# KiCad board frankenso.kicad_pcb (continued)
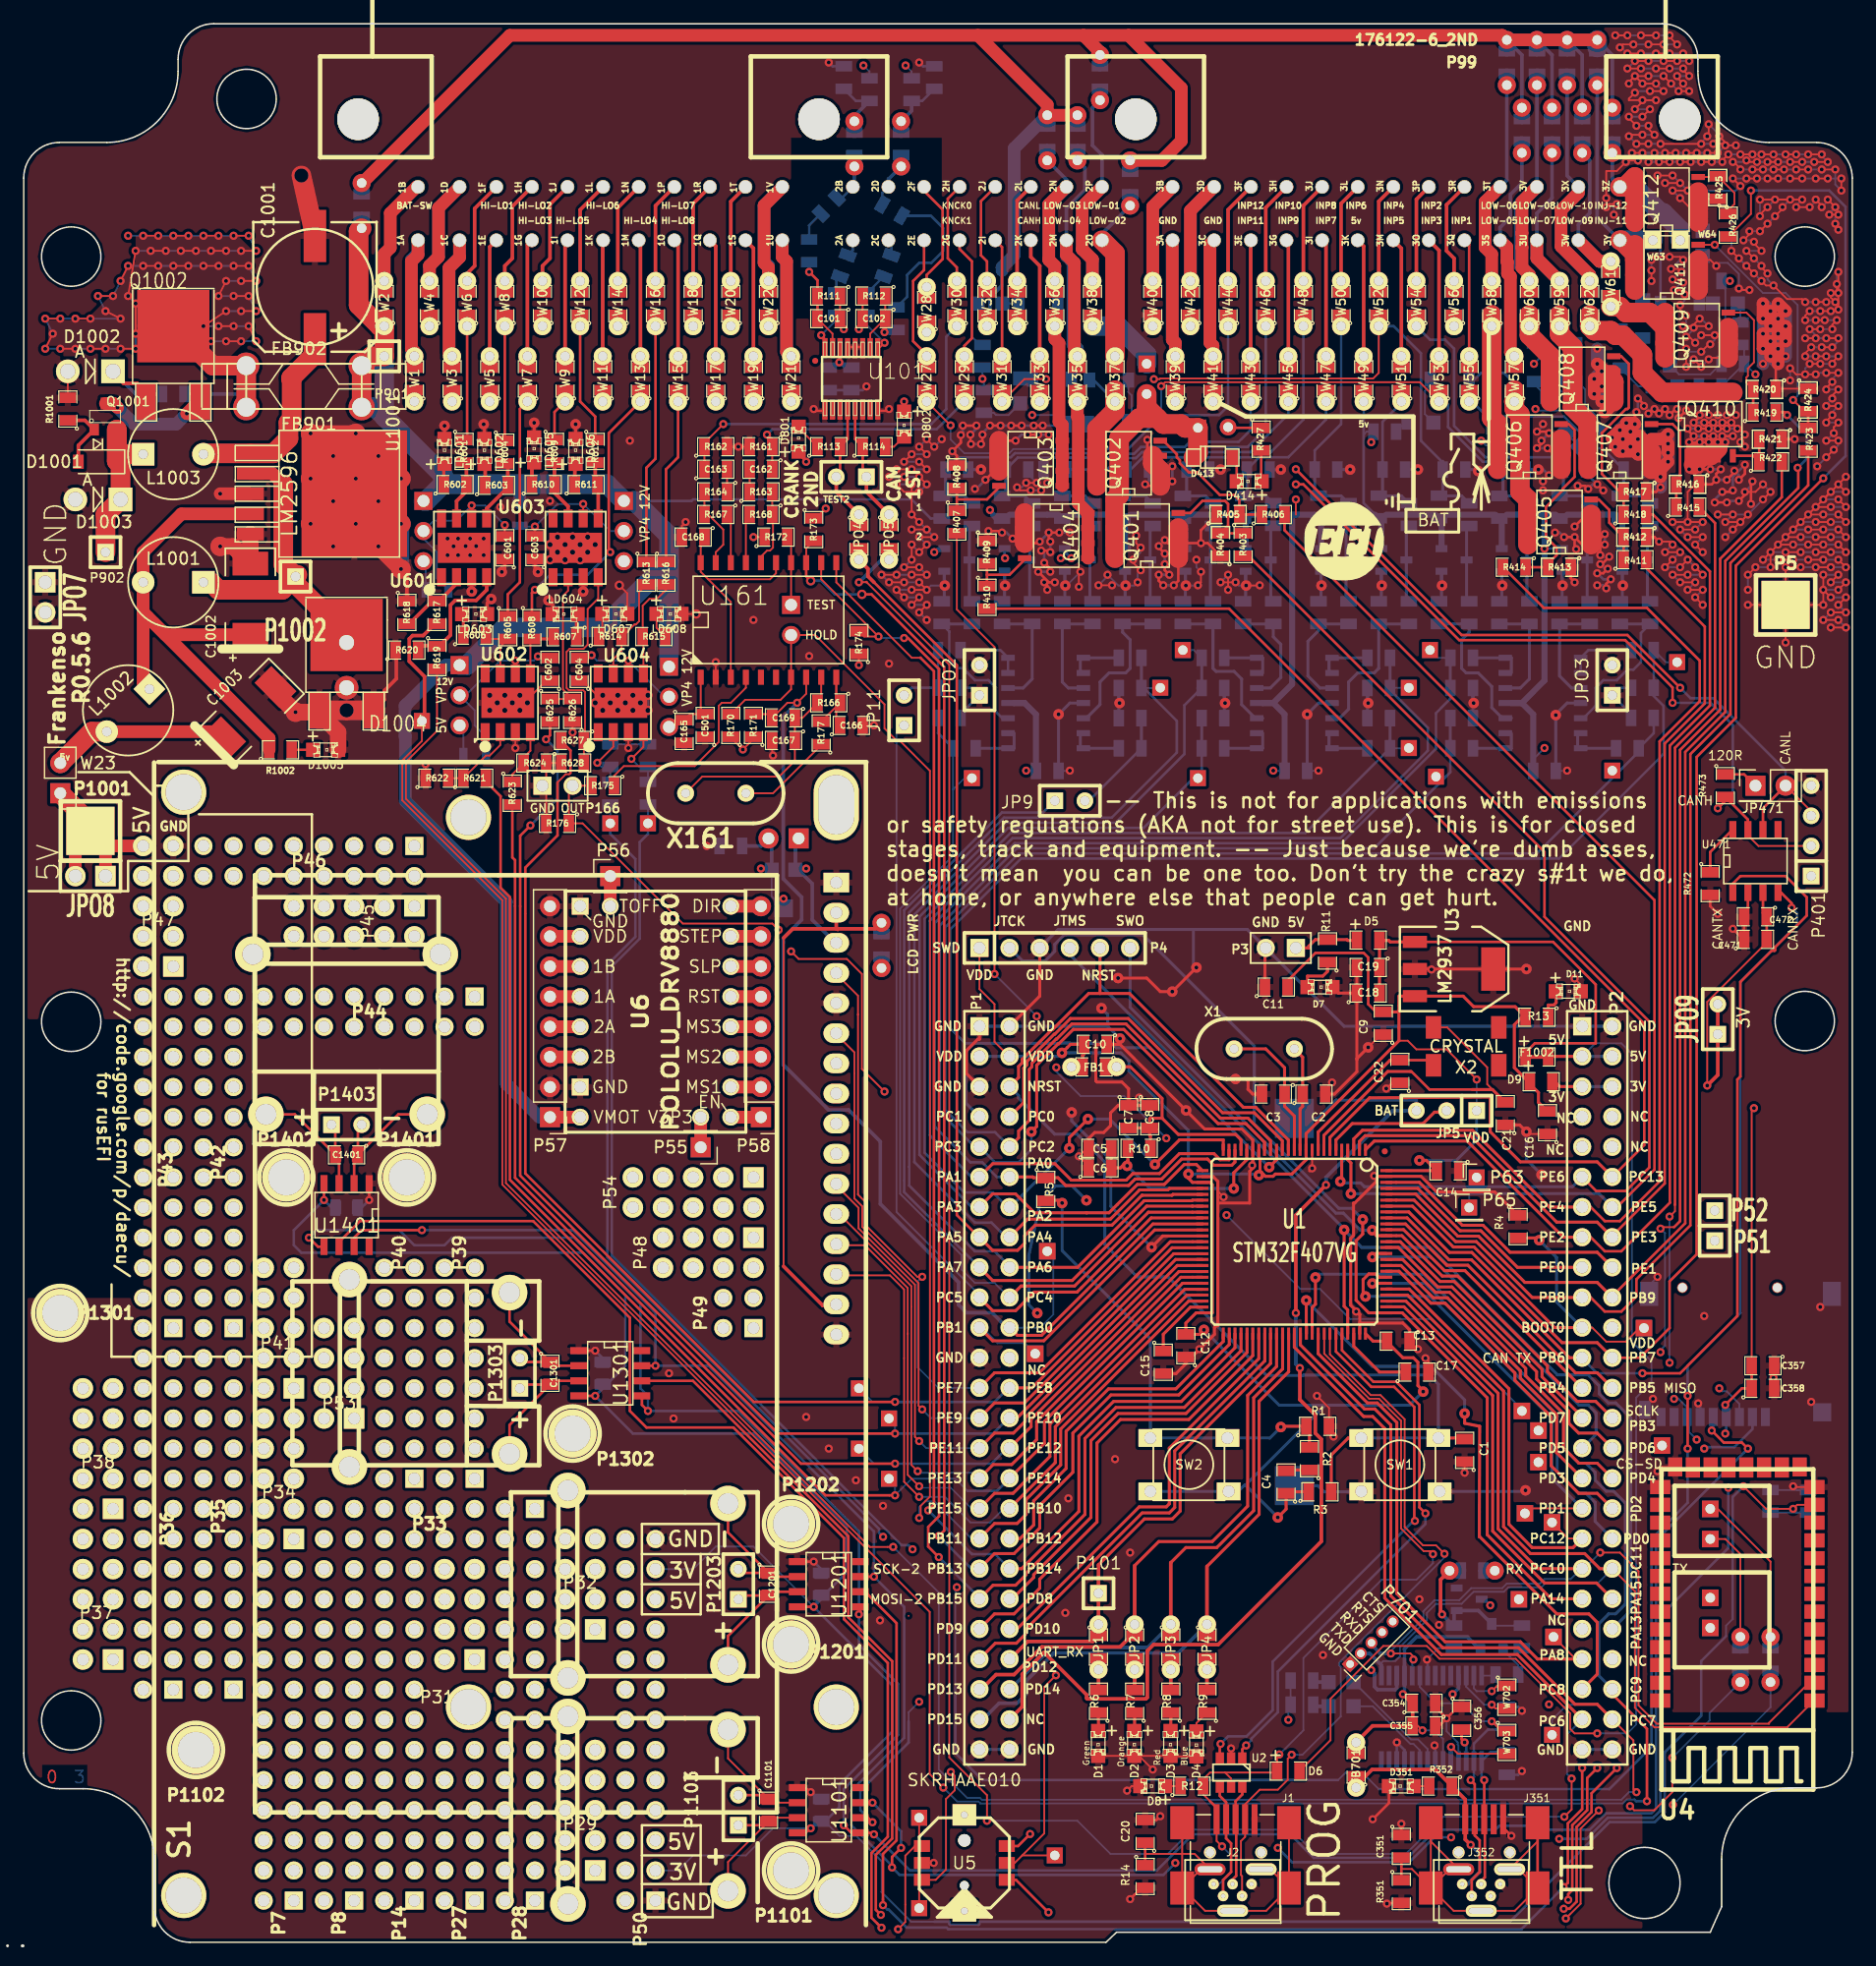
[diagram p0: board, top side]
## Placement (name value [footprint] x y rotation side) (continued)
R137  1k  [SM0805]  71.28 156.17 270 bottom
R141  1k  [SM0805]  74.84 156.17 270 bottom
R161  1M-DNP  [SM0805]  62.14 126.07 180 top
R162  1M-DNP  [SM0805]  58.33 126.07 0 top
R163  39k  [SM0805]  62.14 122.26 0 top
R164  39k  [SM0805]  58.33 122.26 180 top
R166  2M  [SM0805]  67.85 104.48 180 top
R167  39k  [SM0805]  58.33 120.35 180 top
R168  39k  [SM0805]  62.14 120.35 180 top
R170  5k  [SM0805]  59.6 102.57 90 top
R171  DNP  [SM0805]  61.5 102.57 90 top
R172  DNP  [SM0805]  63.41 118.45 0 top
R173  DNP  [SM0805]  66.58 119.08 270 top
R174  DNP  [SM0805]  70.39 109.56 90 top
R175  10k  [SM0805]  48.8 97.49 180 top
R176  10k  [SM0805]  44.99 94.32 180 top
R177  820R  [SM0805]  67.22 101.94 90 top
R210  2700  [SM0805]  134.53 120.97 270 bottom
R211  DNP  [SM0805]  135.8 124.14 0 bottom
R212  10k  [SM0805]  137.07 120.33 270 bottom
R213  100  [SM0805]  137.07 112.08 270 bottom
R214  1500 .1%  [SM0805]  135.16 100.65 0 bottom
R215  1500 .1%  [SM0805]  136.43 103.21 180 bottom
R220  2700  [SM0805]  129.45 120.97 270 bottom
R221  DNP  [SM0805]  130.72 124.14 0 bottom
R222  10k  [SM0805]  131.99 120.33 270 bottom
R223  100  [SM0805]  131.99 112.08 270 bottom
R224  1500 .1%  [SM0805]  136.43 108.92 0 bottom
R225  1500 .1%  [SM0805]  136.43 105.75 180 bottom
R230  DNP  [SM0805]  124.37 120.97 270 bottom
R231  500K  [SM0805]  125.64 124.14 0 bottom
R232  10k  [SM0805]  126.91 120.33 270 bottom
R233  100  [SM0805]  126.91 112.08 270 bottom
R234  1500 .1%  [SM0805]  121.19 108.27 180 bottom
R235  1500 .1%  [SM0805]  121.19 105.73 0 bottom
R240  DNP  [SM0805]  119.29 120.99 270 bottom
R241  500K  [SM0805]  120.56 124.14 0 bottom
R242  10k  [SM0805]  121.83 120.33 270 bottom
R243  100  [SM0805]  121.83 112.08 270 bottom
R244  1500 .1%  [SM0805]  121.19 100.65 180 bottom
R245  1500 .1%  [SM0805]  121.19 103.19 0 bottom
R250  DNP  [SM0805]  114.21 120.99 270 bottom
R251  500K  [SM0805]  115.48 124.14 0 bottom
R252  10k  [SM0805]  116.75 120.35 270 bottom
R253  100  [SM0805]  116.75 112.08 270 bottom
R254  1500 .1%  [SM0805]  114.21 100.65 0 bottom
R255  1500 .1%  [SM0805]  114.21 103.19 180 bottom
R260  10k  [SM0805]  109.13 120.99 270 bottom
R261  DNP  [SM0805]  109.76 124.14 0 bottom
R262  10k  [SM0805]  111.67 120.35 270 bottom
R263  100  [SM0805]  111.67 112.08 270 bottom
R264  1500 .1%  [SM0805]  114.21 108.27 0 bottom
R265  1500 .1%  [SM0805]  114.21 105.73 180 bottom
R270  DNP  [SM0805]  102.78 120.97 270 bottom
R271  500K  [SM0805]  104.05 124.14 0 bottom
R272  10k  [SM0805]  105.32 120.35 270 bottom
R273  100  [SM0805]  105.32 112.08 270 bottom
R274  1500 .1%  [SM0805]  100.24 108.27 180 bottom
R275  1500 .1%  [SM0805]  100.24 105.73 0 bottom
R280  10k  [SM0805]  97.7 120.97 270 bottom
R281  DNP  [SM0805]  98.97 124.14 0 bottom
R282  10k  [SM0805]  100.24 120.33 270 bottom
R283  100  [SM0805]  100.24 112.08 270 bottom
R284  1500 .1%  [SM0805]  100.24 100.65 180 bottom
R285  1500 .1%  [SM0805]  100.24 103.19 0 bottom
R290  1k  [SM0805]  92.62 120.97 270 bottom
R291  DNP  [SM0805]  93.89 124.14 0 bottom
R292  10k  [SM0805]  95.16 120.33 270 bottom
R293  100  [SM0805]  95.16 112.08 270 bottom
R294  1500 .1%  [SM0805]  93.25 100.65 0 bottom
R295  1500 .1%  [SM0805]  93.25 103.19 180 bottom
R300  10k  [SM0805]  87.54 120.97 270 bottom
R301  DNP  [SM0805]  86.9 124.16 180 bottom
R302  10k  [SM0805]  90.08 120.33 270 bottom
R303  100  [SM0805]  90.08 112.08 270 bottom
R304  1500 .1%  [SM0805]  93.25 108.27 0 bottom
R305  1500 .1%  [SM0805]  93.25 105.73 180 bottom
R310  1k  [SM0805]  82.46 120.97 270 bottom
R311  DNP  [SM0805]  83.73 124.14 0 bottom
R312  10k  [SM0805]  85 120.33 270 bottom
R313  100  [SM0805]  85 112.08 270 bottom
R314  1500 .1%  [SM0805]  78.01 108.92 180 bottom
R315  1500 .1%  [SM0805]  78.01 105.75 0 bottom
R320  39k 0.1%  [SM0805]  77.38 120.97 270 bottom
R321  10k 1%  [SM0805]  78.65 124.14 0 bottom
R322  10k  [SM0805]  79.92 120.33 270 bottom
R323  100  [SM0805]  79.92 112.08 270 bottom
R324  1500 .1%  [SM0805]  79.28 100.65 180 bottom
R325  1500 .1%  [SM0805]  78.01 103.21 0 bottom
R351  1M  [SM0805]  116.11 4.27 270 top
R352  1k  [SM0805]  119.41 13.16 180 top
R401  OPT  [SIL-2#2]  100.24 127.72 0 bottom
R402  0R  [SIL-2]  94.65 131.78 270 bottom
R403  20R  [SM0805]  102.78 117.81 270 top
R404  1k  [SM0805]  100.87 117.81 90 top
R405  1k  [SM0805]  101.51 120.35 0 top
R406  20R  [SM0805]  105.32 120.35 0 top
R407  20R  [SM0805]  78.65 119.72 270 top
R408  1k  [SM0805]  78.65 123.53 270 top
R409  1k  [SM0805]  81.19 117.18 270 top
R410  20R  [SM0805]  81.19 113.37 270 top
R411  20R  [SM0805]  135.8 116.54 0 top
R412  1k  [SM0805]  135.8 118.45 180 top
R413  1k  [SM0805]  129.45 115.91 180 top
R414  20R  [SM0805]  125.64 115.91 180 top
R415  20R  [SM0805]  140.24 120.99 0 top
R416  1k  [SM0805]  140.24 122.89 180 top
R417  1k  [SM0805]  135.8 122.26 180 top
R418  20R  [SM0805]  135.8 120.35 0 top
R419  20R  [SM0805]  146.72 128.99 0 top
R420  1k  [SM0805]  146.72 130.89 180 top
R421  1k  [SM0805]  147.23 126.7 180 top
R422  20R  [SM0805]  147.23 124.8 0 top
R423  20R  [SM0805]  150.4 126.7 270 top
R424  1k  [SM0805]  150.4 130 270 top
R425  1k  [SM0805]  142.78 147.91 90 top
R426  20R  [SM0805]  143.67 144.74 270 top
R427  1k  [SM0805]  104.3 126.7 270 top
R428  1k  [SM0805]  80.81 133.69 270 bottom
R429  1k  [SM0805]  80.93 129.88 90 bottom
R430  1k  [SM0805]  114.71 127.34 180 bottom
R431  1k  [SM0805]  124.75 126.19 180 bottom
R432  1k  [SM0805]  130.72 127.97 45 bottom
R433  1k  [SM0805]  129.07 132.54 90 bottom
R434  1k  [SM0805]  144.05 133.05 0 bottom
R435  1k  [SM0805]  142.15 131.15 0 bottom
R436  1k  [SM0805]  144.69 135.59 270 bottom
R437  1k  [SM0805]  142.15 140.04 0 bottom
R438  1k  [SM0805]  88.81 127.97 180 bottom
R472  10k  [SM0805]  142.15 89.24 270 top
R473  120  [SM0805]  143.42 97.49 270 top
R601  100  [SM0805]  37.12 125.67 270 top
R602  2700  [SM0805]  36.36 122.88 0 top
R603  2700  [SM0805]  39.85 122.81 0 top
R604  100  [SM0805]  40.55 125.61 270 top
R605  100  [SM0805]  40.8 110.81 270 top
R606  2700  [SM0805]  38.01 110.18 0 top
R607  2700  [SM0805]  45.63 110.05 180 top
R608  100  [SM0805]  42.83 110.81 270 top
R609  100  [SM0805]  44.74 125.67 270 top
R610  2700  [SM0805]  43.78 122.88 0 top
R611  2700  [SM0805]  47.4 122.88 0 top
R612  100  [SM0805]  48.17 125.67 270 top
R613  100  [SM0805]  52.48 115.4 270 top
R614  2700  [SM0805]  49.44 110.07 0 top
R615  2700  [SM0805]  53.12 110.07 180 top
R616  100  [SM0805]  54.14 115.4 270 top
R617  20R  [SM0805]  34.83 112.1 270 top
R618  1k  [SM0805]  32.29 112.1 270 top
R619  20R  [SM0805]  34.83 108.29 270 top
R620  1k  [SM0805]  32.29 108.92 0 top
R621  20R  [SM0805]  38.01 98.13 0 top
R622  1k  [SM0805]  34.83 98.13 0 top
R623  20R  [SM0805]  41.18 96.86 270 top
R624  1k  [SM0805]  43.09 99.4 180 top
R625  20R  [SM0805]  44.36 103.84 270 top
R626  1k  [SM0805]  46.26 103.84 90 top
R627  20R  [SM0805]  46.26 101.3 180 top
R628  1k  [SM0805]  46.26 99.4 0 top
R629  20R  [SM0805]  49.44 96.86 270 bottom
R630  1k  [SM0805]  49.44 100.03 270 bottom
R631  20R  [SM0805]  52.61 96.86 270 bottom
R632  1k  [SM0805]  52.61 100.03 270 bottom
R633  0R  [R_0805]  34.83 114 180 bottom
R634  0R  [R_0805]  38.01 100.03 180 bottom
R635  0R  [R_0805]  41.82 120.35 90 bottom
R701  1k  [SM0805]  107.73 20.02 0 bottom
R702  1k  [SM0805]  107.73 22.05 0 bottom
R703  1k  [SM0805]  125 22.56 180 bottom
R801  DNP  [SM0805]  69.12 157.18 270 bottom
R802  DNP  [SM0805]  76.74 157.18 270 bottom
R1001  39k  [SM0805]  3.72 129.24 90 top
R1002  1k  [SM0805]  21.64 100.52 0 top
R1003  100k  [SM0805]  12.61 130.51 180 bottom
RV101  1kpot  [TC33X-2-102E]  64.04 88.6 0 bottom
S1  DISPLAY_BL  [DISPLAY_4x20_BL]  68.49 96.95 270 top
SW1  SW_PUSH  [TL-1105]  115.98 40.26 0 top
SW2  SW_PUSH  [TL-1105]  98.2 40.26 0 top
TEST2  MISC_HEADER  [SIL-2]  69.76 123.53 180 top
U1  STM32F407VG  [TQFP_100]  107.09 59.05 0 top
U2  NUF2101MT1G  [SOT-457]  101.76 14.31 180 top
U3  LM2937  [SOT223]  120.56 82.04 270 top
U4  ITEAD_HC-0X  [ITEAD_HC-05]  144.43 26.37 180 top
U5  SKRHAAE010  [joystick_SKRHAAE010]  79.28 6.69 180 top
U6  POLOLU_DRV8880  [Pololu_md32a]  53.25 78.44 270 top
U101  MAX9926/9927  [maxim-10-QSOP16]  69.76 131.78 0 top
U161  TPIC8101  [SO20L]  62.77 111.46 0 top
U201  MCP6004  [SO14N]  128.18 104.46 90 bottom
U202  MCP6004  [SO14N]  107.22 104.46 90 bottom
U203  MCP6004  [SO14N]  86.27 104.46 90 bottom
U351  FT232RL  [ssop-28]  118.65 18.88 0 bottom
U471  SN65HVD230  [SO8E]  145.96 91.14 0 top
U601  TC4427  [SOIC8-DFN]  37.12 117.54 180 top
U602  TC4427  [SOIC8-DFN]  40.8 104.48 180 top
U603  TC4427  [SOIC8-DFN]  46.52 117.54 180 top
U604  TC4427  [SOIC8-DFN]  50.33 104.48 180 top
U1001  LM2596  [DPAK5]  19.1 122.11 270 top
U1101  MAX31855KASA  [SO8E]  67.85 11.13 270 top
U1201  MAX31855KASA  [SO8E]  67.85 30.18 270 top
U1301  MAX31855KASA  [SO8E]  49.44 47.96 270 top
U1401  MAX31855KASA  [SO8E]  27.21 61.3 180 top
W1  TEST  [SM0805_jumper#2]  32.93 131.78 90 top
W2  TEST  [SM0805_jumper]  30.39 138.13 90 top
W3  TEST  [SM0805_jumper#2]  36.1 131.78 90 top
W4  TEST  [SM0805_jumper]  34.2 138.13 90 top
W5  TEST  [SM0805_jumper#2]  39.28 131.78 90 top
W6  TEST  [SM0805_jumper]  37.37 138.13 90 top
W7  TEST  [SM0805_jumper#2]  42.45 131.78 90 top
W8  TEST  [SM0805_jumper]  40.55 138.13 90 top
W9  TEST  [SM0805_jumper#2]  45.63 131.78 90 top
W10  TEST  [SM0805_jumper]  43.72 138.13 90 top
W11  TEST  [SM0805_jumper#2]  48.8 131.78 90 top
W12  TEST  [SM0805_jumper]  46.9 138.13 90 top
W13  TEST  [SM0805_jumper#2]  51.98 131.78 90 top
W14  TEST  [SM0805_jumper#2]  50.07 138.13 90 top
W15  TEST  [SM0805_jumper#2]  55.15 131.78 90 top
W16  TEST  [SM0805_jumper#2]  53.25 138.13 90 top
W17  TEST  [SM0805_jumper#2]  58.33 131.78 90 top
W18  TEST  [SM0805_jumper#2]  56.42 138.13 90 top
W19  TEST  [SM0805_jumper#2]  61.5 131.78 90 top
W20  TEST  [SM0805_jumper#2]  59.6 138.13 90 top
W21  TEST  [SM0805_jumper#2]  64.68 131.78 90 top
W22  TEST  [SM0805_jumper#2]  62.77 138.13 90 top
W23  TEST  [Pin_Header_Straight_1x02_Pitch2.54mm]  3.08 96.86 180 top
W27  TEST  [SM0805_jumper#2]  76.11 131.78 90 top
W28  TEST  [SM0805_jumper#2]  76.11 137.62 90 top
W29  TEST  [SM0805_jumper#2]  79.28 131.78 90 top
W30  TEST  [SM0805_jumper#2]  78.65 138.13 90 top
W31  TEST  [SM0805_jumper#2]  82.46 131.78 90 top
W32  TEST  [SM0805_jumper#2]  81.19 138.13 90 top
W33  TEST  [SM0805_jumper#2]  85.63 131.78 90 top
W34  TEST  [SM0805_jumper#2]  83.73 138.13 90 top
W35  TEST  [SM0805_jumper#2]  88.81 131.78 90 top
W36  TEST  [SM0805_jumper#2]  86.9 138.13 90 top
W37  TEST  [SM0805_jumper#2]  91.98 131.78 90 top
W38  TEST  [SM0805_jumper]  90.08 138.13 90 top
W39  TEST  [SM0805_jumper#2]  97.06 131.78 90 top
W40  TEST  [SM0805_jumper#2]  95.16 138.13 90 top
W41  TEST  [SM0805_jumper#2]  100.24 131.78 90 top
W42  TEST  [SM0805_jumper#2]  98.33 138.13 90 top
W43  TEST  [SM0805_jumper#2]  103.41 131.78 90 top
W44  TEST  [SM0805_jumper#2]  101.51 138.13 90 top
W45  TEST  [SM0805_jumper#2]  106.59 131.78 90 top
W46  TEST  [SM0805_jumper#2]  104.68 138.13 90 top
W47  TEST  [SM0805_jumper#2]  109.76 131.78 90 top
W48  TEST  [SM0805_jumper#2]  107.86 138.13 90 top
W49  TEST  [SM0805_jumper]  112.94 131.78 90 top
W50  TEST  [SM0805_jumper#2]  111.03 138.13 90 top
W51  TEST  [SM0805_jumper#2]  116.11 131.78 90 top
W52  TEST  [SM0805_jumper#2]  114.21 138.13 90 top
W53  TEST  [SM0805_jumper#2]  119.29 131.78 90 top
W54  TEST  [SM0805_jumper#2]  117.38 138.13 90 top
W55  TEST  [SM0805_jumper#2]  121.83 131.78 90 top
W56  TEST  [SM0805_jumper#2]  120.56 138.13 90 top
W57  TEST  [SM0805_jumper#2]  125.64 131.78 90 top
W58  TEST  [SM0805_jumper#2]  123.73 138.13 90 top
W59  TEST  [SM0805_jumper#2]  129.45 138.13 90 top
W60  TEST  [SM0805_jumper#2]  126.91 138.13 90 top
W61  TEST  [SM0805_jumper#2]  133.76 139.78 90 top
W62  TEST  [SM0805_jumper#2]  131.99 138.13 90 top
W63  CONN_1  [SIL-1]  137.32 143.47 180 top
W64  CONN_1  [SIL-1]  139.61 143.47 180 top
W101  MISC_HEADER  [Pin_Header_Straight_1x02_Pitch2.54mm]  65.31 93.05 90 bottom
W102  TEST  [SM0805_jumper]  144.69 23.83 90 bottom
W103  TEST  [SM0805_jumper]  147.23 23.83 90 bottom
W701  TEST  [SM0805_jumper]  122.08 31.33 180 bottom
W702  TEST  [SM0805]  125 20.66 270 top
W703  TEST  [SM0805]  125 16.85 270 top
W1002  MISC_HEADER  [SM0805_jumper]  70.01 151.59 90 bottom
W1003  MISC_HEADER  [SM0805_jumper]  73.95 151.59 90 bottom
X1  8MHz  [HC-49V]  104.55 75.31 0 top
X2  CRYSTAL  [MC-306]  121.57 75.52 0 top
X161  8MHz  [HC-49V]  58.33 96.86 0 top

## Library data of the parts
D1006 = -: Field4: A
S1 = -: Field4: LINE 3; Field5: LINE 3; Field6: LINE 2; Field7: LINE 1

## Footprints (pads in the part's own frame, mm; a bottom-side part is the same pattern mirrored in y, then rotated)
1pin
  round 4.064 hole 3.048: 1(0,0)
1PIN_SMD
  rect 4.064x4.064 smd: 1(0,0)
176122-6_2nd
  round 3.5 hole 3.5: (-114.6,10.201) (-75.75,10.201) (-49.05,10.201) (-3.2,10.201)
  round 1.151 hole 1.1: 1(-109.548,0) 2(-106.05,0) 3(-102.949,0) 4(-99.949,0) 5(-96.949,0) 6(-93.95,0) 7(-90.95,0) 8(-87.95,0) 9(-84.95,0) 10(-81.951,0) 11(-78.849,0) 12(-109.548,4.501) 13(-106.05,4.501) 14(-102.949,4.501) 15(-99.949,4.501) 16(-96.949,4.501) 17(-93.95,4.501) 18(-90.95,4.501) 19(-87.95,4.501) 20(-84.95,4.501) 21(-81.951,4.501) 22(-78.849,4.501) 23(-72.901,0) 24(-69.901,0) 25(-66.901,0) 26(-63.901,0) 27(-60.899,0) 28(-57.899,0) 29(-54.9,0) 30(-51.9,0) 31(-72.901,4.501) 32(-69.901,4.501) 33(-66.901,4.501) 34(-63.901,4.501) 35(-60.899,4.501) 36(-57.899,4.501) 37(-54.9,4.501) 38(-51.9,4.501) 39(-45.954,0) 40(-42.454,0) 41(-39.35,0) 42(-36.35,0) 43(-33.35,0) 44(-30.35,0) 45(-27.351,0) 46(-24.351,0) 47(-21.351,0) 48(-18.352,0) 49(-15.25,0) 50(-11.75,0) 51(-8.25,0) 52(-45.954,4.501) 53(-42.454,4.501) 54(-39.35,4.501) 55(-36.35,4.501) 56(-33.35,4.501) 57(-30.35,4.501) 58(-27.351,4.501) 59(-24.351,4.501) 60(-21.351,4.501) 61(-18.352,4.501) 62(-15.25,4.501) 63(-11.75,4.501) 64(-8.25,4.501)
BATT_CR2032_MPD
  rect 3.29x3.29 smd: 1(15.485,0) 2(-15.485,0)
D_SOD-123
  rect 0.9x1.2 smd: 1(-1.65,0) 2(1.65,0)
Diode_DO-41_SOD81_Vertical_AnodeUp
  rect 1.999x1.999 hole 1.27: 1(0,0)
  round 1.999 hole 1.27: 2(3.81,0)
DISPLAY_4x20_BL
  round 3.81 hole 3.048: (0,-55.004) (2.12,-31) (77.12,0) (77.12,-31) (93,0) (93,-55.001)
  oval 6x3.81 hole 5.02x3.048: (1.06,0)
  rect 1.651x2.159 hole 1.016: 1(7.62,0)
  oval 1.651x2.159 hole 1.016: 2(10.16,0) 3(12.7,0) 4(15.24,0) 5(17.78,0) 6(20.32,0) 7(22.86,0) 8(25.4,0) 9(27.94,0) 10(30.48,0) 11(33.02,0) 12(35.56,0) 13(38.1,0) 14(40.64,0) A(43.18,0) K(45.72,0)
DPAK2
  rect 1.651x3.048 smd: 1(-2.286,0) 3(2.286,0)
  rect 6.096x6.096 smd: 2(0,6.35)
DPAK5
  rect 1.067x2.286 smd: 1(-3.404,0) 2(-1.702,0) 3(0,0) 4(1.702,0) 5(3.404,0)
  rect 10.668x8.89 smd: 3(0,8.763)
HC-49V
  round 1.422 hole 0.762: 1(-2.54,0) 2(2.54,0)
INDUCTOR_V
  rect 1.905x1.905 hole 0.813: 1(-2.54,0)
  round 1.905 hole 0.813: 2(2.54,0)
ITEAD_HC-05
  rect 1.699x1.199 smd: 1(-6.5,5.999) 2(-6.5,4.501) 3(-6.5,3) 4(-6.5,1.501) 5(-6.5,0) 6(-6.5,-1.501) 7(-6.5,-3) 8(-6.5,-4.501) 9(-6.5,-5.999) 10(-6.5,-7.501) 11(-6.5,-8.999) 12(-6.5,-10.5) 13(-6.5,-11.999) 22(6.5,-11.999) 23(6.5,-10.5) 24(6.5,-8.997) 25(6.5,-7.501) 26(6.5,-5.999) 27(6.5,-4.501) 28(6.5,-3) 29(6.5,-1.501) 30(6.5,0) 31(6.5,1.501) 32(6.5,3) 33(6.5,4.501) 34(6.5,5.999)
  rect 1.199x1.598 smd: 14(-5.25,-13.696) 21(5.245,-13.698)
  rect 1.199x1.699 smd: 15(-3.747,-13.65) 16(-2.248,-13.65) 17(-0.749,-13.65) 18(0.749,-13.65) 19(2.248,-13.65) 20(3.747,-13.65)
joystick_SKRHAAE010
  round 0.75 hole 0.75: (0,1.9)
  round 1.05 hole 1.05: (0,-1.9)
  rect 1.35x1 smd: 1(-3.575,1.425) 2(-3.575,0) 3(-3.575,-1.425) 4(3.575,1.425) 5(3.575,0) 6(3.575,-1.425)
  rect 2x1.8 hole 0.6: 7(0,4.05) 7(0,-4.05)
KeyStone_3557
  round 2.21 hole 1.603: 1(0,1.753) 1(0,-1.753)
LED-0805_A
  rect 1.199x1.199 smd: 1(-1.049,0) 2(1.049,0)
maxim-10-QSOP16
  rect 0.45x1.499 smd: 1(-2.223,-2.69) 2(-1.587,-2.69) 3(-0.953,-2.69) 4(-0.318,-2.69) 5(0.318,-2.69) 6(0.953,-2.69) 7(1.587,-2.69) 8(2.223,-2.69) 9(2.223,2.69) 10(1.587,2.69) 11(0.953,2.69) 12(0.318,2.69) 13(-0.318,2.69) 14(-0.953,2.69) 15(-1.587,2.69) 16(-2.223,2.69)
  round 0.508 smd: NC(-3.048,1.524)
MC-306
  rect 1.3x1.9 smd: 1(-2.75,-1.6) 2(2.75,-1.6) 3(2.75,1.6) 4(-2.75,1.6)
MICRO-SDCARD-CONNECTOR-3300060P1
  round 0.889 hole 0.762: (3.407,-4.886) (3.407,3.114)
  rect 1.524x0.762 smd: 1(-7.493,2.114) 2(-7.493,1.014) 3(-7.493,-0.086) 4(-7.493,-1.186) 5(-7.493,-2.286) 6(-7.493,-3.386) 7(-7.493,-4.486) 8(-7.493,-5.586) 9(-7.493,-6.686)
  rect 1.524x1.016 smd: G1(-6.893,-8.032)
  rect 2.032x1.524 smd: G2(2.88,-7.686) G3(2.88,7.714)
  rect 1.524x1.524 smd: G4(-7.101,6.895)
MINI-USB-5P-3400020P1
  round 1.016 hole 0.762: (-2.159,1.397) (2.159,1.397)
  rect 0.508x2.54 smd: 1(-1.6,4.191) 2(-0.8,4.191) 3(0,4.191) 4(0.8,4.191) 5(1.6,4.191)
  rect 2x2.794 smd: 6(-4.5,3.897) 6(-4.5,-1.603) 6(4.5,3.897) 6(4.5,-1.603)
MINI-USB_RCTP_V-T_B
  round 0.889 hole 0.381: 1(-1.6,0.5) 2(-0.8,-0.5) 3(0,0.5) 4(0.8,-0.5) 5(1.6,0.5)
  oval 2.616x1.016 hole 2.108x0.508: 6(-1.9,1.75) 6(0,-1.75) 6(2.4,1.75)
PIN_ARRAY-6X1
  rect 1.524x1.524 hole 1.016: 1(-6.35,0)
  round 1.524 hole 1.016: 2(-3.81,0) 3(-1.27,0) 4(1.27,0) 5(3.81,0) 6(6.35,0)
PIN_ARRAY_2_A
  rect 1.524x1.524 hole 1.016: 1(-1.27,0)
  round 1.524 hole 1.016: 2(1.27,0)
PIN_ARRAY_2X1
  rect 1.524x1.524 hole 1.016: 1(-1.27,0)
  round 1.524 hole 1.016: 2(1.27,0)
PIN_ARRAY_2X2
  rect 1.524x1.524 hole 1.016: 1(-1.27,-1.27)
  round 1.524 hole 1.016: 2(-1.27,1.27) 3(1.27,-1.27) 4(1.27,1.27)
PIN_ARRAY_3X1
  rect 1.524x1.524 hole 1.016: 1(-2.54,0)
  round 1.524 hole 1.016: 2(0,0) 3(2.54,0)
pin_array_6x2
  rect 1.524x1.524 hole 1.016: 1(-6.35,-1.27)
  round 1.524 hole 1.016: 2(-6.35,1.27) 3(-3.81,-1.27) 4(-3.81,1.27) 5(-1.27,-1.27) 6(-1.27,1.27) 7(1.27,-1.27) 8(1.27,1.27) 9(3.81,-1.27) 10(3.81,1.27) 11(6.35,-1.27) 12(6.35,1.27)
pin_array_8x2
  rect 1.524x1.524 hole 1.016: 1(-8.89,-1.27)
  round 1.524 hole 1.016: 2(-8.89,1.27) 3(-6.35,-1.27) 4(-6.35,1.27) 5(-3.81,-1.27) 6(-3.81,1.27) 7(-1.27,-1.27) 8(-1.27,1.27) 9(1.27,-1.27) 10(1.27,1.27) 11(3.81,-1.27) 12(3.81,1.27) 13(6.35,-1.27) 14(6.35,1.27) 15(8.89,-1.27) 16(8.89,1.27)
pin_array_12x2
  rect 1.524x1.524 hole 1.016: 1(-13.97,-1.27)
  round 1.524 hole 1.016: 2(-13.97,1.27) 3(-11.43,-1.27) 4(-11.43,1.27) 5(-8.89,-1.27) 6(-8.89,1.27) 7(-6.35,-1.27) 8(-6.35,1.27) 9(-3.81,-1.27) 10(-3.81,1.27) 11(-1.27,-1.27) 12(-1.27,1.27) 13(1.27,-1.27) 14(1.27,1.27) 15(3.81,-1.27) 16(3.81,1.27) 17(6.35,-1.27) 18(6.35,1.27) 19(8.89,-1.27) 20(8.89,1.27) 21(11.43,-1.27) 22(11.43,1.27) 23(13.97,-1.27) 24(13.97,1.27)
pin_array_13x2
  rect 1.524x1.524 hole 1.016: 1(-15.24,-1.27)
  round 1.524 hole 1.016: 2(-15.24,1.27) 3(-12.7,-1.27) 4(-12.7,1.27) 5(-10.16,-1.27) 6(-10.16,1.27) 7(-7.62,-1.27) 8(-7.62,1.27) 9(-5.08,-1.27) 10(-5.08,1.27) 11(-2.54,-1.27) 12(-2.54,1.27) 13(0,-1.27) 14(0,1.27) 15(2.54,-1.27) 16(2.54,1.27) 17(5.08,-1.27) 18(5.08,1.27) 19(7.62,-1.27) 20(7.62,1.27) 21(10.16,-1.27) 22(10.16,1.27) 23(12.7,-1.27) 24(12.7,1.27) 25(15.24,-1.27) 26(15.24,1.27)
PIN_ARRAY_25x2_A
  rect 1.524x1.524 hole 1.016: 1(-30.48,-1.27)
  round 1.524 hole 1.016: 2(-30.48,1.27) 3(-27.94,-1.27) 4(-27.94,1.27) 5(-25.4,-1.27) 6(-25.4,1.27) 7(-22.86,-1.27) 8(-22.86,1.27) 9(-20.32,-1.27) 10(-20.32,1.27) 11(-17.78,-1.27) 12(-17.78,1.27) 13(-15.24,-1.27) 14(-15.24,1.27) 15(-12.7,-1.27) 16(-12.7,1.27) 17(-10.16,-1.27) 18(-10.16,1.27) 19(-7.62,-1.27) 20(-7.62,1.27) 21(-5.08,-1.27) 22(-5.08,1.27) 23(-2.54,-1.27) 24(-2.54,1.27) 25(0,-1.27) 26(0,1.27) 27(2.54,-1.27) 28(2.54,1.27) 29(5.08,-1.27) 30(5.08,1.27) 31(7.62,-1.27) 32(7.62,1.27) 33(10.16,-1.27) 34(10.16,1.27) 35(12.7,-1.27) 36(12.7,1.27) 37(15.24,-1.27) 38(15.24,1.27) 39(17.78,-1.27) 40(17.78,1.27) 41(20.32,-1.27) 42(20.32,1.27) 43(22.86,-1.27) 44(22.86,1.27) 45(25.4,-1.27) 46(25.4,1.27) 47(27.94,-1.27) 48(27.94,1.27) 49(30.48,-1.27) 50(30.48,1.27)
Pin_Header_Straight_1x01_Pitch2.00mm
  rect 1.35x1.35 hole 0.8: 1(0,0)
Pin_Header_Straight_1x01_Pitch2.54mm
  rect 1.7x1.7 hole 1: 1(0,0)
Pin_Header_Straight_1x02_Pitch2.54mm
  rect 1.7x1.7 hole 1: 1(0,0)
  oval 1.7x1.7 hole 1: 2(0,-2.54)
Pin_Header_Straight_1x05_Pitch1.27mm
  rect 1x1 hole 0.65: 1(0,0)
  oval 1x1 hole 0.65: 2(0,-1.27) 3(0,-2.54) 4(0,-3.81) 5(0,-5.08)
Pin_Header_Straight_1x08_Pitch2.54mm
  rect 1.7x1.7 hole 1: 1(0,0)
  oval 1.7x1.7 hole 1: 2(0,-2.54) 3(0,-5.08) 4(0,-7.62) 5(0,-10.16) 6(0,-12.7) 7(0,-15.24) 8(0,-17.78)
Pin_Header_Straight_2x01_Pitch2.54mm
  rect 1.7x1.7 hole 1: 1(0,0)
  oval 1.7x1.7 hole 1: 2(2.54,0)
Pin_Header_Straight_2x04
  rect 1.727x1.727 hole 1.016: 1(0,0)
  oval 1.727x1.727 hole 1.016: 2(2.54,0) 3(0,-2.54) 4(2.54,-2.54) 5(0,-5.08) 6(2.54,-5.08) 7(0,-7.62) 8(2.54,-7.62)
Pin_Header_Straight_2x05
  rect 1.727x1.727 hole 1.016: 1(0,0)
  oval 1.727x1.727 hole 1.016: 2(2.54,0) 3(0,-2.54) 4(2.54,-2.54) 5(0,-5.08) 6(2.54,-5.08) 7(0,-7.62) 8(2.54,-7.62) 9(0,-10.16) 10(2.54,-10.16)
Pololu_md32a
  rect 1.422x1.422 hole 1.016: 1(-8.89,-6.35) 7(6.35,-6.35)
  round 1.422 hole 1.016: 2(-6.35,-6.35) 3(-3.81,-6.35) 4(-1.27,-6.35) 5(1.27,-6.35) 6(3.81,-6.35) 8(8.89,-6.35) 9(8.89,6.35) 10(6.35,6.35) 11(3.81,6.35) 12(1.27,6.35) 13(-1.27,6.35) 14(-3.81,6.35) 15(-6.35,6.35) 16(-8.89,6.35) 17(-8.89,-3.81) 18(8.89,3.81)
R_0805
  rect 0.7x1.3 smd: 1(-0.95,0) 2(0.95,0)
SIL-1
  rect 1.397x1.397 hole 0.813: 1(0,0)
SIL-2
  rect 1.397x1.397 hole 0.813: 1(-1.27,0)
  round 1.397 hole 0.813: 2(1.27,0)
SIL-2#3
  rect 1.727x1.727 hole 1.143: 1(-1.27,0)
  round 1.727 hole 1.143: 2(1.27,0)
SIL-2#2
  rect 1.397x1.397 hole 0.813: 1(-1.27,0.064)
  round 1.397 hole 0.813: 2(1.27,0)
SIL-3
  rect 1.397x1.397 hole 0.813: 1(-2.54,0)
  round 1.397 hole 0.813: 2(0,0) 3(2.54,0)
SIL-4
  rect 1.397x1.397 hole 0.813: 1(-3.81,0)
  round 1.397 hole 0.813: 2(-1.27,0) 3(1.27,0) 4(3.81,0)
SM0805
  rect 0.889x1.397 smd: 1(-0.953,0) 2(0.953,0)
SM0805-diode
  rect 0.889x1.397 smd: 1(-0.953,0) 2(0.953,0)
SM0805-SM0603
  rect 0.889x1.397 smd: 1(-0.953,0) 2(0.953,0)
  rect 0.635x1.143 smd: 1(-0.762,0) 2(0.762,0)
SM0805_jumper
  round 1.524 hole 0.813: 1(-1.905,0) 2(1.905,0)
  rect 1.524x0.203 smd: 1(-1.27,0) 2(1.27,0)
  rect 0.889x1.397 smd: 1(-0.953,0) 2(0.953,0)
SM0805_jumper#2
  round 1.524 hole 0.813: 1(-1.905,0) 2(1.905,0)
  rect 0.889x1.397 smd: 1(-0.953,0) 2(0.953,0)
SM2512
  rect 1.999x3 smd: 1(-3,0) 2(3,0)
SMDSVP10
  rect 4.399x1.9 smd: 1(-4.399,0) 2(4.3,0)
SO8E
  rect 0.599x1.4 smd: 1(-1.905,-2.667) 2(-0.635,-2.667) 3(0.635,-2.667) 4(1.905,-2.667) 5(1.905,2.667) 6(0.635,2.667) 7(-0.635,2.667) 8(-1.905,2.667)
SO8E_ST
  rect 0.508x1.143 smd: 1(1.905,-2.667) 2(-1.905,2.667) 2(-0.635,2.667) 2(0.635,2.667) 2(1.905,2.667) 3(-1.905,-2.667) 3(-0.635,-2.667) 3(0.635,-2.667)
SO14N
  rect 0.508x1.143 smd: 1(-3.81,-3.302) 2(-2.54,-3.302) 3(-1.27,-3.302) 4(0,-3.302) 5(1.27,-3.302) 6(2.54,-3.302) 7(3.81,-3.302) 8(3.81,3.048) 9(2.54,3.048) 10(1.27,3.048) 11(0,3.048) 12(-1.27,3.048) 13(-2.54,3.048) 14(-3.81,3.048)
SO20L
  rect 0.508x1.27 smd: 1(-5.715,-4.826) 2(-4.445,-4.826) 3(-3.175,-4.826) 4(-1.905,-4.826) 5(-0.635,-4.826) 6(0.635,-4.826) 7(1.905,-4.826) 8(3.175,-4.826) 9(4.445,-4.826) 10(5.715,-4.826) 11(5.715,4.826) 12(4.445,4.826) 13(3.175,4.826) 14(1.905,4.826) 15(0.635,4.826) 16(-0.635,4.826) 17(-1.905,4.826) 18(-3.175,4.826) 19(-4.445,4.826) 20(-5.715,4.826)
SOD-123
  rect 0.965x1.27 smd: 1(-1.626,0.025) 2(1.651,0.025)
SOIC8-DFN
  rect 0.762x1.524 smd: 1(1.905,2.477) 2(0.635,2.477) 3(-0.635,2.477) 4(-1.905,2.477) 5(-1.905,-2.477) 6(-0.635,-2.477) 7(0.635,-2.477) 8(1.905,-2.477)
  rect 4.445x2.54 smd: 9(0,0)
SOT23
  rect 0.8x1.001 smd: 1(-0.953,-1.1) 2(0.953,-1.1) 3(0,1.1)
sot23
  rect 0.599x1.001 smd: 1(-0.953,-1.057) 2(0,1.057) 3(0.953,-1.057)
SOT223
  rect 1.016x2.032 smd: 1(-2.286,-3.302) 2(0,-3.302) 3(2.286,-3.302)
  rect 3.658x2.032 smd: 4(0,3.302)
SOT-457
  rect 0.7x1 smd: 1(-0.95,-1.2) 2(0,-1.2) 3(0.95,-1.2) 4(0.95,1.2) 5(0,1.2) 6(-0.95,1.2)
ssop-28
  rect 0.406x1.651 smd: 1(-4.224,-3.599) 2(-3.574,-3.599) 3(-2.926,-3.599) 4(-2.276,-3.599) 5(-1.626,-3.599) 6(-0.975,-3.599) 7(-0.325,-3.599) 8(0.325,-3.599) 9(0.975,-3.599) 10(1.626,-3.599) 11(2.276,-3.599) 12(2.926,-3.599) 13(3.574,-3.599) 14(4.224,-3.599) 15(4.224,3.599) 16(3.574,3.599) 17(2.926,3.599) 18(2.276,3.599) 19(1.626,3.599) 20(0.975,3.599) 21(0.325,3.599) 22(-0.325,3.599) 23(-0.975,3.599) 24(-1.626,3.599) 25(-2.276,3.599) 26(-2.926,3.599) 27(-3.574,3.599) 28(-4.224,3.599)
TC33X-2-102E
  rect 1.2x1.2 smd: 1(-1,-1.8) 3(1,-1.8)
  rect 1.6x1.5 smd: 2(0,1.45)
tcpl_PCC-SMP
  round 3 hole 1.77: 1(-6.749,-6.8) 2(-6.749,6.8) M(6.749,7.899) M(6.749,-7.899)
TL-1105
  rect 2x1.5 hole 1: 1(-3.25,2.25) 1(3.25,2.25) 2(-3.25,-2.25) 2(3.35,-2.25)
TQFP_100
  rect 0.254x1.016 smd: 1(5.994,7.747) 2(5.486,7.747) 3(5.004,7.747) 4(4.496,7.747) 5(3.988,7.747) 6(3.505,7.747) 7(2.997,7.747) 8(2.489,7.747) 9(2.007,7.747) 10(1.499,7.747) 11(0.991,7.747) 12(0.483,7.747) 13(0,7.747) 14(-0.508,7.747) 15(-1.016,7.747) 16(-1.499,7.747) 17(-2.007,7.747) 18(-2.515,7.747) 19(-2.997,7.747) 20(-3.505,7.747) 21(-4.013,7.747) 22(-4.496,7.747) 23(-5.004,7.747) 24(-5.512,7.747) 25(-5.994,7.747) 51(-5.994,-7.747) 52(-5.486,-7.747) 53(-5.004,-7.747) 54(-4.496,-7.747) 55(-3.988,-7.747) 56(-3.505,-7.747) 57(-2.997,-7.747) 58(-2.489,-7.747) 59(-2.007,-7.747) 60(-1.499,-7.747) 61(-0.991,-7.747) 62(-0.483,-7.747) 63(0,-7.747) 64(0.508,-7.747) 65(1.016,-7.747) 66(1.499,-7.747) 67(2.007,-7.747) 68(2.515,-7.747) 69(2.997,-7.747) 70(3.505,-7.747) 71(4.013,-7.747) 72(4.496,-7.747) 73(5.004,-7.747) 74(5.512,-7.747) 75(5.994,-7.747)
  rect 1.016x0.254 smd: 26(-7.747,5.994) 27(-7.747,5.486) 28(-7.747,5.004) 29(-7.747,4.496) 30(-7.747,3.988) 31(-7.747,3.505) 32(-7.747,2.997) 33(-7.747,2.489) 34(-7.747,2.007) 35(-7.747,1.499) 36(-7.747,0.991) 37(-7.747,0.483) 38(-7.747,0) 39(-7.747,-0.508) 40(-7.747,-1.016) 41(-7.747,-1.499) 42(-7.747,-2.007) 43(-7.747,-2.515) 44(-7.747,-2.997) 45(-7.747,-3.505) 46(-7.747,-4.013) 47(-7.747,-4.496) 48(-7.747,-5.004) 49(-7.747,-5.512) 50(-7.747,-5.994) 76(7.747,-5.994) 77(7.747,-5.486) 78(7.747,-5.004) 79(7.747,-4.496) 80(7.747,-3.988) 81(7.747,-3.505) 82(7.747,-2.997) 83(7.747,-2.489) 84(7.747,-2.007) 85(7.747,-1.499) 86(7.747,-0.991) 87(7.747,-0.483) 88(7.747,0) 89(7.747,0.508) 90(7.747,1.016) 91(7.747,1.499) 92(7.747,2.007) 93(7.747,2.515) 94(7.747,2.997) 95(7.747,3.505) 96(7.747,4.013) 97(7.747,4.496) 98(7.747,5.004) 99(7.747,5.512) 100(7.747,5.994)
  round 0.508 smd: NC1(7.62,7.62)

## Nets
12V-SNUB: D12.2 D13.2 D14.2 D15.2 D16.2 D17.2 D18.2 D19.2 D20.2 D21.2 D22.2 D23.2 JPO6.1 W32.1
/1V: W22.1
/3.3V: C23.1 C24.1 C357.2 C358.1 C471.2 C472.1 C1102.1 C1202.1 C1302.1 C1402.1 D9.2 JPO9.1 JPO9.2 P2.5 P2.6 P50.3 P50.23 P352.4 U4.12 U471.3 U1101.4 U1201.4 U1301.4 U1401.4
/5V: C18.2 C19.1 C103.2 C104.1 C165.1 C211.1 C251.1 C291.2 C501.2 D5.2 D6.2 D210.3 D220.3 D230.3 D240.3 D250.3 D260.3 D270.3 D280.3 D290.3 D300.3 D310.3 D320.3 D703.2 D801.1 D802.1 F1002.1 F1002.2 JPO1.2 JPO8.1 JPO8.2 P2.3 P2.4 P47.10 P50.5 P50.21 P57.7 P401.1 P604.3 P605.3 P606.3 P607.3 P1001.1 P1004.1 R137.1 R141.1 R170.1 R171.1 R172.1 R173.1 R174.1 R210.2 R220.2 R230.2 R240.2 R250.2 R260.2 R270.2 R280.2 R290.2 R300.2 R310.2 R401.2 R427.1 R428.2 R429.2 R430.2 R431.2 R432.2 R433.2 R434.2 R435.2 R436.2 R437.2 R438.2 R633.2 R634.2 R701.1 R702.1 U3.1 U6.2 U101.14 U161.1 U201.4 U202.4 U203.4 W23.1 W28.1 W49.1 W701.1
/12V-SWITCH: FB901.1 JPO6.2 P57.1 P604.1 P605.1 P606.1 P607.1 P901.1 R320.2 R635.2 U6.8 W2.1
/mmc_usb_1/Vbus: FB701.1 J351.1 J352.1 R352.1
/PWR_buck_12V_switcher/5V-REG: C1003.1 L1002.2 W23.2
/PWR_buck_12V_switcher/VBAT: C1001.1 L1003.2 U1001.1
/stm32f407_board/VDD: C4.1 C9.2 C10.2 C11.2 C12.2 C13.2 C14.2 C16.2 D9.1 FB1.2 JP5.1 P1.3 P1.4 P4.1 R3.1 R13.2 SW2.2 U1.11 U1.19 U1.28 U1.50 U1.75 U1.100 U3.3
GND: BT1.2 C1.1 C2.2 C3.2 C5.1 C6.1 C7.1 C8.1 C9.1 C10.1 C11.1 C12.1 C13.1 C14.1 C15.2 C16.1 C17.2 C18.1 C19.2 C20.2 C21.1 C22.1 C23.2 C24.2 C103.1 C104.2 C165.2 C166.2 C167.2 C168.2 C210.1 C211.2 C220.1 C230.1 C240.1 C250.1 C251.2 C260.1 C270.1 C280.1 C290.1 C291.1 C300.1 C310.1 C320.1 C351.1 C352.1 C353.1 C354.2 C355.1 C356.1 C357.1 C358.2 C471.1 C472.2 C501.1 C601.1 C602.1 C603.1 C604.1 C702.2 C1001.2 C1002.2 C1003.2 C1102.2 C1202.2 C1302.2 C1402.2 D1.2 D2.2 D3.2 D4.2 D7.2 D8.2 D11.2 D210.1 D220.1 D230.1 D240.1 D250.1 D260.1 D270.1 D280.1 D290.1 D300.1 D310.1 D320.1 D351.2 D1002.2 D1003.2 D1004.1 D1004.3 D1005.2 D1006.2 J1.5 J2.5 J351.5 J352.5 JPO2.1 JPO2.2 JPO3.1 JPO3.2 JPO7.1 JPO7.2 LD601.2 LD602.2 LD603.2 LD604.2 LD605.2 LD606.2 LD607.2 LD608.2 P1.1 P1.2 P1.5 P1.23 P1.49 P1.50 P2.1 P2.2 P2.49 P2.50 P3.2 P4.3 P5.1 P47.9 P50.1 P50.25 P57.2 P57.8 P166.1 P352.6 P352.G1 P352.G2 P352.G3 P352.G4 P401.4 P701.1 P1003.1 Q401.3 Q402.3 Q403.3 Q404.3 Q405.3 Q406.3 Q407.3 Q408.3 Q409.3 Q410.3 Q411.3 Q412.3 R1.2 R4.1 R14.2 R99.1 R161.2 R162.2 R176.2 R211.2 R215.2 R221.2 R225.2 R231.2 R235.2 R241.2 R245.2 R251.2 R255.2 R261.2 R265.2 R271.2 R275.2 R281.2 R285.2 R291.2 R295.2 R301.2 R305.2 R311.2 R315.2 R321.2 R325.2 R351.2 R404.1 R405.1 R408.1 R409.1 R412.1 R413.1 R416.1 R417.1 R420.1 R421.1 R424.1 R425.1 R472.2 R618.1 R620.1 R622.1 R624.1 R626.1 R628.1 R630.1 R632.1 R801.1 R802.1 R1001.2 S1.1 S1.5 S1.K SW1.2 U1.10 U1.20 U1.27 U1.37 U1.74 U1.99 U2.2 U3.2 U3.4 U4.13 U4.21 U4.22 U5.5 U6.1 U6.7 U101.1 U101.3 U101.6 U101.8 U101.11 U101.12 U101.13 U161.2 U201.11 U202.11 U203.11 U351.7 U351.18 U351.21 U351.25 U351.26 U471.2 U601.3 U601.9 U602.3 U602.9 U603.3 U603.9 U604.3 U604.9 U1001.3 U1001.5 U1101.1 U1201.1 U1301.1 U1401.1 W39.1 W40.1 W41.1 W42.1
/1A: W1.1
/1C: W3.1
/1D: W4.1
/1E: W5.1
/1J: W10.1
/1K: W11.1
/1N: W14.1
/1Q: W17.1
/1R: W18.1
/1S: W19.1
/1T: W20.1
/1U: W21.1
/3R: W56.1
/232-FROM-MCU: P2.37 P701.3 U1.78 U4.2 U351.5
/232-TO-MCU: P2.38 P701.2 U1.79 U4.1 U351.1
/adc_amp_divider/OUT1: P1.10 P15.1 R214.2 R215.1 U1.17
/adc_amp_divider/OUT2: P1.7 P24.1 R224.2 R225.1 U1.16
/adc_amp_divider/OUT3: P1.12 P25.1 R5.1 R234.2 R235.1 U1.23
/adc_amp_divider/OUT4: P1.9 P26.1 R244.2 R245.1 U1.18
/adc_amp_divider/OUT5: P1.14 P59.1 R254.2 R255.1 U1.25
/adc_amp_divider/OUT6: P1.11 P60.1 R264.2 R265.1 U1.24
/adc_amp_divider/OUT7: P1.16 P61.1 R274.2 R275.1 U1.29
/adc_amp_divider/OUT8: P1.13 P62.1 R284.2 R285.1 U1.26
/adc_amp_divider/OUT9: JP9.1 P1.17 U1.32
/adc_amp_divider/OUT10: P1.18 P64.1 R304.2 R305.1 U1.31
/adc_amp_divider/OUT11: JP11.1 P1.19 U1.34
/adc_amp_divider/OUT12: P1.20 P66.1 R324.2 R325.1 U1.33
/AN1-HARN: R210.1 R211.1 R212.1 W55.1
/AN2-HARN: R220.1 R221.1 R222.1 W54.1
/AN3-HARN: R230.1 R231.1 R232.1 W27.1 W53.1
/AN4-HARN: R240.1 R241.1 R242.1 W31.1 W52.1
/AN5-HARN: R250.1 R251.1 R252.1 W51.1
/AN6-HARN: R260.1 R261.1 R262.1 W50.1
/AN7-HARN: R270.1 R271.1 R272.1 W47.1
/AN8-HARN: R280.1 R281.1 R282.1 W48.1
/AN9-HARN: R290.1 R291.1 R292.1 W45.1
/AN10-HARN: R300.1 R301.1 R302.1 W46.1
/AN11-HARN: R310.1 R311.1 R312.1 W43.1
/AN12-HARN: R320.1 R321.1 R322.1 W44.1
/CAM: JPO5.1 R114.1 TEST2.1 U101.5
/CAM+: P99.24 R104.1
/CAM-: P99.32 R106.1 W1003.1
/can_brd_1/CAN_RX: P1.36 U1.51 U471.4
/can_brd_1/CAN_TX: P2.23 U1.92 U471.1
/CANH: P401.2 R473.2 U471.7 W33.1
/CANL: JP471.2 P401.3 U471.6 W34.1
/CRANK: JPO4.1 R113.2 TEST2.2 U101.4
/CRK2+: P99.23 R103.1
/CRK2-: P99.31 R102.1 W1002.1
/CS_SD: P2.32 P352.2 U1.85
/DD_HIP9011/CS: C169.2 P1.22 P12.1 R171.2 U1.35 U161.8
/DD_HIP9011/INT/HLD: P1.35 P165.2 R170.2 U1.48 U161.7
/DD_HIP9011/INTOUT: R175.1 U161.4
/DD_HIP9011/OUT: P1.8 P166.2 R175.2 R176.1 U1.15
/DD_HIP9011/TEST: P165.1 R172.2 U161.14
/HD44780_CS: P1.27 S1.6 U1.40
/HD44780_D4: P1.29 S1.11 U1.42
/HD44780_D5: P1.31 S1.12 U1.44
/HD44780_D6: P1.33 S1.13 U1.46
/HD44780_D7: P1.34 S1.14 U1.47
/HD44780_RS: P1.25 S1.4 U1.38
/HD44780_VCC: JPO1.1 S1.2 S1.A
/HD44780_VLCD: RV101.3 S1.3 W101.1
/hi-lo/DOHL1: P2.46 P69.1 R617.2 U1.66
/hi-lo/DOHL2: P2.48 P67.1 R619.2 U1.64
/hi-lo/DOHL3: P1.32 P68.1 R621.2 U1.45
/hi-lo/DOHL4: P1.30 P70.1 R623.2 U1.43
/hi-lo/DOHL5: P1.28 P72.1 R625.2 U1.41
/hi-lo/DOHL6: P1.26 P71.1 R627.2 U1.39
